# Altium PCB PCB1.PcbDoc (part 10 of 15) (continued)
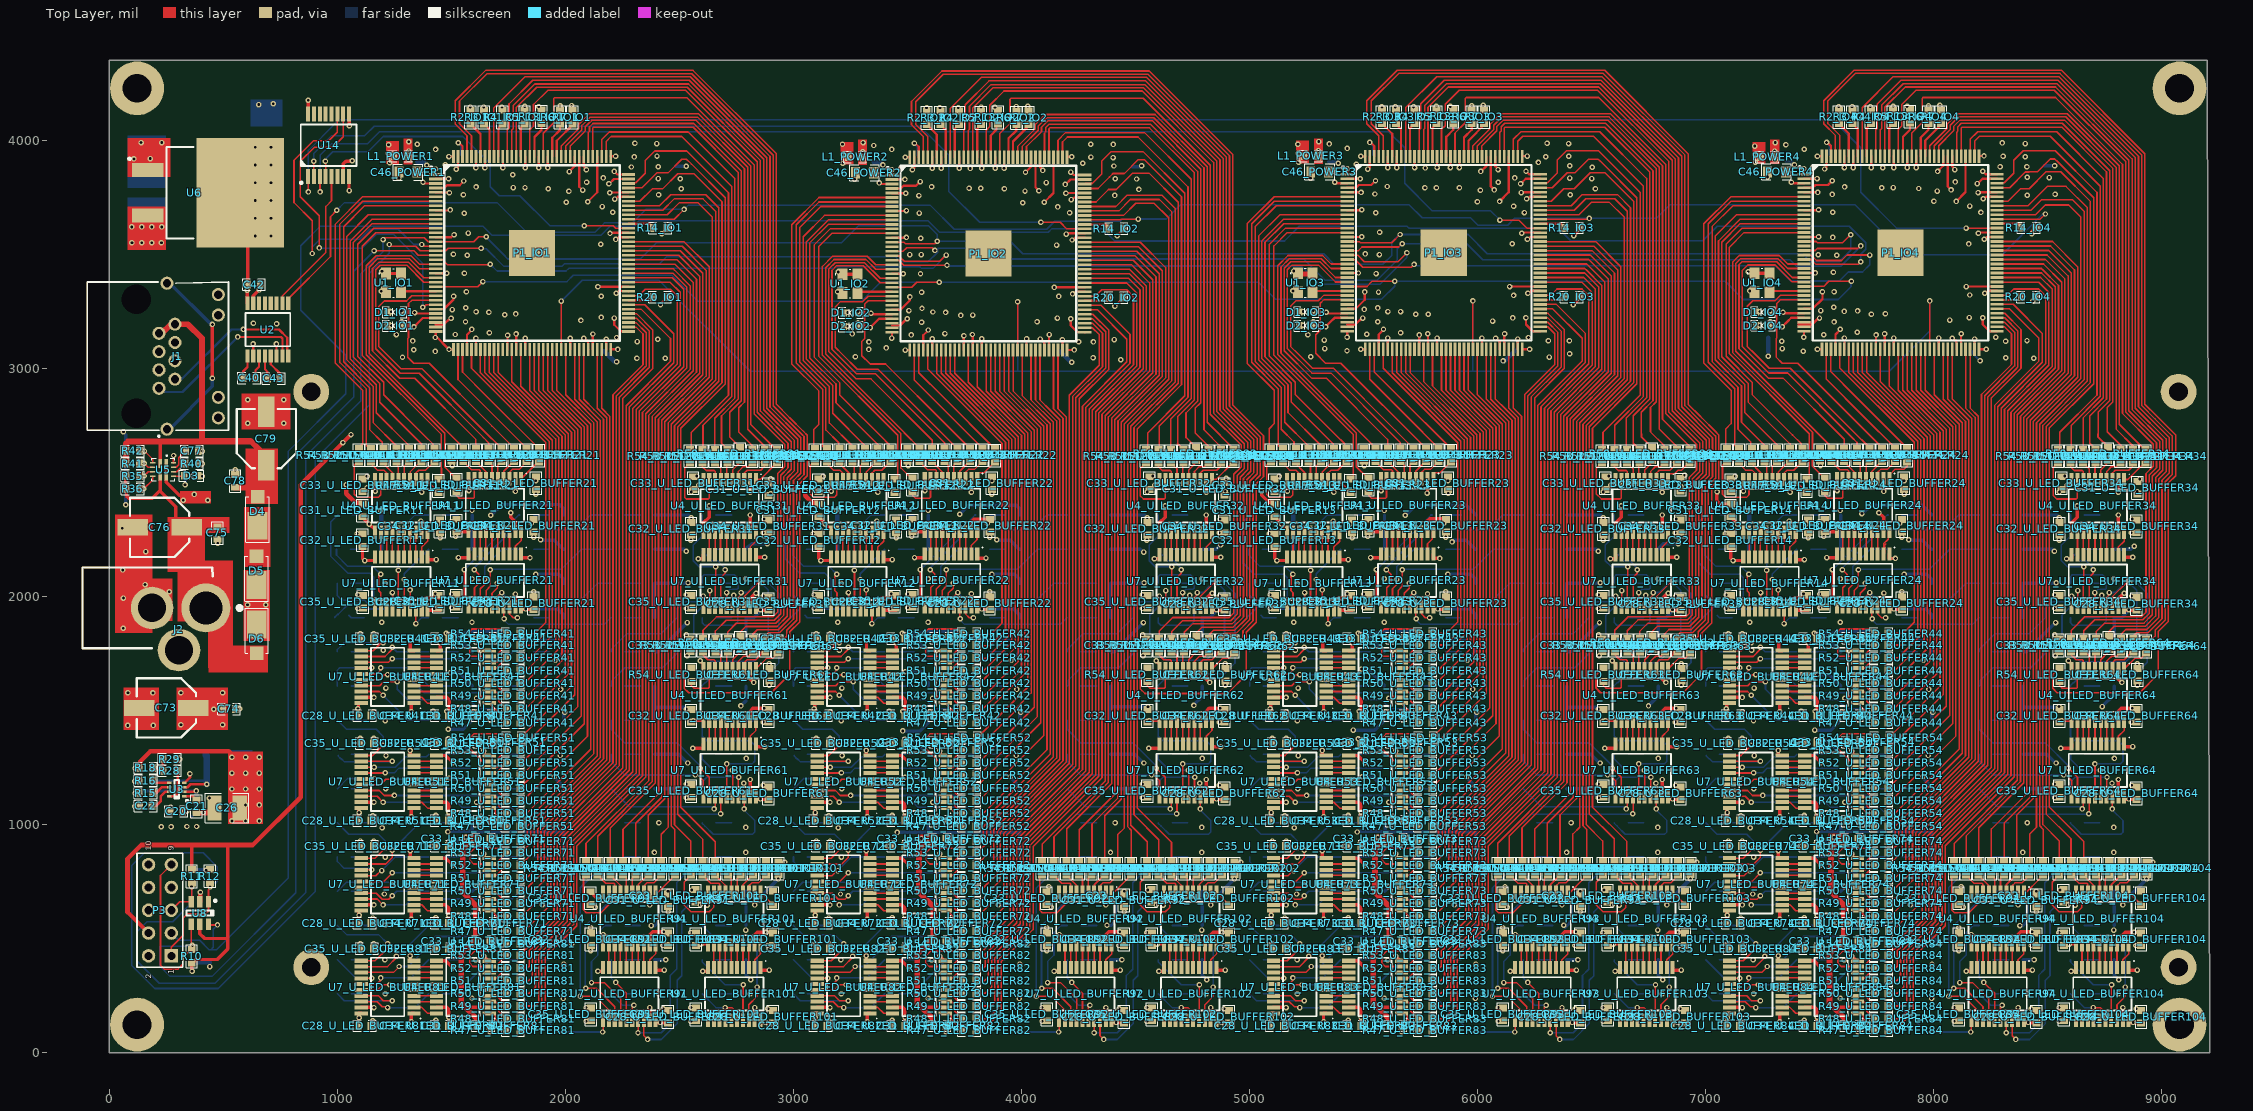
[diagram p0: Top Layer view]
## Nets (pads, with @x,y where several pads share a name; then routed paths per layer and width w, separated by ;. In a path a pad name is that pad's centre, name@x,y a point inside that pad or via, vN(x,y) a via of type N, cw(c..) or ccw(c..) an arc to the next point about the centre after c; other vN are vias at no path point) (continued)
  Top Layer w7: U4_U_LED_BUFFER21.4@1729.61,2516.17 1729.61,2548.89 1771.23,2590.5 R49_U_LED_BUFFER21.1@1774.56,2590.5
NetR49_U_LED_BUFFER22_1: R49_U_LED_BUFFER22.1 U4_U_LED_BUFFER22.4 | length 94.9
  Top Layer w7: U4_U_LED_BUFFER22.4@3729.61,2516.17 3729.61,2548.89 3771.23,2590.5 R49_U_LED_BUFFER22.1@3774.56,2590.5
NetR49_U_LED_BUFFER23_1: R49_U_LED_BUFFER23.1 U4_U_LED_BUFFER23.4 | length 94.9
  Top Layer w7: U4_U_LED_BUFFER23.4@5729.61,2516.17 5729.61,2548.89 5771.23,2590.5 R49_U_LED_BUFFER23.1@5774.56,2590.5
NetR49_U_LED_BUFFER24_1: R49_U_LED_BUFFER24.1 U4_U_LED_BUFFER24.4 | length 94.9
  Top Layer w7: U4_U_LED_BUFFER24.4@7729.61,2516.17 7729.61,2548.89 7771.23,2590.5 R49_U_LED_BUFFER24.1@7774.56,2590.5
NetR49_U_LED_BUFFER31_1: R49_U_LED_BUFFER31.1 U4_U_LED_BUFFER31.4 | length 111.8
  Top Layer w7: U4_U_LED_BUFFER31.4@2759.02,2512.83 2759.02,2548.37 2779.09,2568.45 2802.43,2568.45 R49_U_LED_BUFFER31.1@2819.77,2585.79
NetR49_U_LED_BUFFER32_1: R49_U_LED_BUFFER32.1 U4_U_LED_BUFFER32.4 | length 111.8
  Top Layer w7: U4_U_LED_BUFFER32.4@4759.02,2512.83 4759.02,2548.37 4779.09,2568.45 4802.43,2568.45 R49_U_LED_BUFFER32.1@4819.77,2585.79
NetR49_U_LED_BUFFER33_1: R49_U_LED_BUFFER33.1 U4_U_LED_BUFFER33.4 | length 111.8
  Top Layer w7: U4_U_LED_BUFFER33.4@6759.02,2512.83 6759.02,2548.37 6779.09,2568.45 6802.43,2568.45 R49_U_LED_BUFFER33.1@6819.77,2585.79
NetR49_U_LED_BUFFER34_1: R49_U_LED_BUFFER34.1 U4_U_LED_BUFFER34.4 | length 111.8
  Top Layer w7: U4_U_LED_BUFFER34.4@8759.02,2512.83 8759.02,2548.37 8779.09,2568.45 8802.43,2568.45 R49_U_LED_BUFFER34.1@8819.77,2585.79
NetR49_U_LED_BUFFER41_1: R49_U_LED_BUFFER41.1 U4_U_LED_BUFFER41.4 | length 94.9
  Top Layer w7: U4_U_LED_BUFFER41.4@1666.3,1608.78 1699.02,1608.78 1740.63,1567.16 R49_U_LED_BUFFER41.1@1740.63,1563.83
NetR49_U_LED_BUFFER42_1: R49_U_LED_BUFFER42.1 U4_U_LED_BUFFER42.4 | length 94.9
  Top Layer w7: U4_U_LED_BUFFER42.4@3666.3,1608.78 3699.02,1608.78 3740.63,1567.16 R49_U_LED_BUFFER42.1@3740.63,1563.83
NetR49_U_LED_BUFFER43_1: R49_U_LED_BUFFER43.1 U4_U_LED_BUFFER43.4 | length 94.9
  Top Layer w7: U4_U_LED_BUFFER43.4@5666.3,1608.78 5699.02,1608.78 5740.63,1567.16 R49_U_LED_BUFFER43.1@5740.63,1563.83
NetR49_U_LED_BUFFER44_1: R49_U_LED_BUFFER44.1 U4_U_LED_BUFFER44.4 | length 94.9
  Top Layer w7: U4_U_LED_BUFFER44.4@7666.3,1608.78 7699.02,1608.78 7740.63,1567.16 R49_U_LED_BUFFER44.1@7740.63,1563.83
NetR49_U_LED_BUFFER51_1: R49_U_LED_BUFFER51.1 U4_U_LED_BUFFER51.4 | length 94.9
  Top Layer w7: U4_U_LED_BUFFER51.4@1666.3,1148.78 1699.02,1148.78 1740.63,1107.16 R49_U_LED_BUFFER51.1@1740.63,1103.83
NetR49_U_LED_BUFFER52_1: R49_U_LED_BUFFER52.1 U4_U_LED_BUFFER52.4 | length 94.9
  Top Layer w7: U4_U_LED_BUFFER52.4@3666.3,1148.78 3699.02,1148.78 3740.63,1107.16 R49_U_LED_BUFFER52.1@3740.63,1103.83
NetR49_U_LED_BUFFER53_1: R49_U_LED_BUFFER53.1 U4_U_LED_BUFFER53.4 | length 94.9
  Top Layer w7: U4_U_LED_BUFFER53.4@5666.3,1148.78 5699.02,1148.78 5740.63,1107.16 R49_U_LED_BUFFER53.1@5740.63,1103.83
NetR49_U_LED_BUFFER54_1: R49_U_LED_BUFFER54.1 U4_U_LED_BUFFER54.4 | length 94.9
  Top Layer w7: U4_U_LED_BUFFER54.4@7666.3,1148.78 7699.02,1148.78 7740.63,1107.16 R49_U_LED_BUFFER54.1@7740.63,1103.83
NetR49_U_LED_BUFFER61_1: R49_U_LED_BUFFER61.1 U4_U_LED_BUFFER61.4 | length 112.5
  Top Layer w7: U4_U_LED_BUFFER61.4@2759.02,1682.83 2759.02,1715.55 2766.63,1723.16 2781.27,1737.81 2803.8,1737.81 R49_U_LED_BUFFER61.1@2822.05,1756.05
NetR49_U_LED_BUFFER62_1: R49_U_LED_BUFFER62.1 U4_U_LED_BUFFER62.4 | length 112.5
  Top Layer w7: U4_U_LED_BUFFER62.4@4759.02,1682.83 4759.02,1715.55 4766.63,1723.16 4781.27,1737.81 4803.8,1737.81 R49_U_LED_BUFFER62.1@4822.05,1756.05
NetR49_U_LED_BUFFER63_1: R49_U_LED_BUFFER63.1 U4_U_LED_BUFFER63.4 | length 112.5
  Top Layer w7: U4_U_LED_BUFFER63.4@6759.02,1682.83 6759.02,1715.55 6766.63,1723.16 6781.27,1737.81 6803.8,1737.81 R49_U_LED_BUFFER63.1@6822.05,1756.05
NetR49_U_LED_BUFFER64_1: R49_U_LED_BUFFER64.1 U4_U_LED_BUFFER64.4 | length 112.5
  Top Layer w7: U4_U_LED_BUFFER64.4@8759.02,1682.83 8759.02,1715.55 8766.63,1723.16 8781.27,1737.81 8803.8,1737.81 R49_U_LED_BUFFER64.1@8822.05,1756.05
NetR49_U_LED_BUFFER71_1: R49_U_LED_BUFFER71.1 U4_U_LED_BUFFER71.4 | length 94.9
  Top Layer w7: U4_U_LED_BUFFER71.4@1666.3,698.78 1699.02,698.78 1740.63,657.16 R49_U_LED_BUFFER71.1@1740.63,653.83
NetR49_U_LED_BUFFER72_1: R49_U_LED_BUFFER72.1 U4_U_LED_BUFFER72.4 | length 94.9
  Top Layer w7: U4_U_LED_BUFFER72.4@3666.3,698.78 3699.02,698.78 3740.63,657.16 R49_U_LED_BUFFER72.1@3740.63,653.83
NetR49_U_LED_BUFFER73_1: R49_U_LED_BUFFER73.1 U4_U_LED_BUFFER73.4 | length 94.9
  Top Layer w7: U4_U_LED_BUFFER73.4@5666.3,698.78 5699.02,698.78 5740.63,657.16 R49_U_LED_BUFFER73.1@5740.63,653.83
NetR49_U_LED_BUFFER74_1: R49_U_LED_BUFFER74.1 U4_U_LED_BUFFER74.4 | length 94.9
  Top Layer w7: U4_U_LED_BUFFER74.4@7666.3,698.78 7699.02,698.78 7740.63,657.16 R49_U_LED_BUFFER74.1@7740.63,653.83
NetR49_U_LED_BUFFER81_1: R49_U_LED_BUFFER81.1 U4_U_LED_BUFFER81.4 | length 94.9
  Top Layer w7: U4_U_LED_BUFFER81.4@1666.3,248.78 1699.02,248.78 1740.63,207.16 R49_U_LED_BUFFER81.1@1740.63,203.83
NetR49_U_LED_BUFFER82_1: R49_U_LED_BUFFER82.1 U4_U_LED_BUFFER82.4 | length 94.9
  Top Layer w7: U4_U_LED_BUFFER82.4@3666.3,248.78 3699.02,248.78 3740.63,207.16 R49_U_LED_BUFFER82.1@3740.63,203.83
NetR49_U_LED_BUFFER83_1: R49_U_LED_BUFFER83.1 U4_U_LED_BUFFER83.4 | length 94.9
  Top Layer w7: U4_U_LED_BUFFER83.4@5666.3,248.78 5699.02,248.78 5740.63,207.16 R49_U_LED_BUFFER83.1@5740.63,203.83
NetR49_U_LED_BUFFER84_1: R49_U_LED_BUFFER84.1 U4_U_LED_BUFFER84.4 | length 94.9
  Top Layer w7: U4_U_LED_BUFFER84.4@7666.3,248.78 7699.02,248.78 7740.63,207.16 R49_U_LED_BUFFER84.1@7740.63,203.83
NetR49_U_LED_BUFFER91_1: R49_U_LED_BUFFER91.1 U4_U_LED_BUFFER91.4 | length 94.9
  Top Layer w7: U4_U_LED_BUFFER91.4@2319.02,702.83 2319.02,735.55 2360.63,777.16 R49_U_LED_BUFFER91.1@2363.96,777.16
NetR49_U_LED_BUFFER92_1: R49_U_LED_BUFFER92.1 U4_U_LED_BUFFER92.4 | length 94.9
  Top Layer w7: U4_U_LED_BUFFER92.4@4319.02,702.83 4319.02,735.55 4360.63,777.16 R49_U_LED_BUFFER92.1@4363.96,777.16
NetR49_U_LED_BUFFER93_1: R49_U_LED_BUFFER93.1 U4_U_LED_BUFFER93.4 | length 94.9
  Top Layer w7: U4_U_LED_BUFFER93.4@6319.02,702.83 6319.02,735.55 6360.63,777.16 R49_U_LED_BUFFER93.1@6363.96,777.16
NetR49_U_LED_BUFFER94_1: R49_U_LED_BUFFER94.1 U4_U_LED_BUFFER94.4 | length 94.9
  Top Layer w7: U4_U_LED_BUFFER94.4@8319.02,702.83 8319.02,735.55 8360.63,777.16 R49_U_LED_BUFFER94.1@8363.96,777.16
NetR49_U_LED_BUFFER101_1: R49_U_LED_BUFFER101.1 U4_U_LED_BUFFER101.4 | length 94.9
  Top Layer w7: U4_U_LED_BUFFER101.4@2779.02,702.83 2779.02,735.55 2820.63,777.16 R49_U_LED_BUFFER101.1@2823.96,777.16
NetR49_U_LED_BUFFER102_1: R49_U_LED_BUFFER102.1 U4_U_LED_BUFFER102.4 | length 94.9
  Top Layer w7: U4_U_LED_BUFFER102.4@4779.02,702.83 4779.02,735.55 4820.63,777.16 R49_U_LED_BUFFER102.1@4823.96,777.16
NetR49_U_LED_BUFFER103_1: R49_U_LED_BUFFER103.1 U4_U_LED_BUFFER103.4 | length 94.9
  Top Layer w7: U4_U_LED_BUFFER103.4@6779.02,702.83 6779.02,735.55 6820.63,777.16 R49_U_LED_BUFFER103.1@6823.96,777.16
NetR49_U_LED_BUFFER104_1: R49_U_LED_BUFFER104.1 U4_U_LED_BUFFER104.4 | length 94.9
  Top Layer w7: U4_U_LED_BUFFER104.4@8779.02,702.83 8779.02,735.55 8820.63,777.16 R49_U_LED_BUFFER104.1@8823.96,777.16
NetR50_U_LED_BUFFER11_1: R50_U_LED_BUFFER11.1 U4_U_LED_BUFFER11.5 | length 80.5
  Top Layer w7: U4_U_LED_BUFFER11.5@1293.43,2512.83 1293.43,2572.18 R50_U_LED_BUFFER11.1@1308.41,2587.16
NetR50_U_LED_BUFFER12_1: R50_U_LED_BUFFER12.1 U4_U_LED_BUFFER12.5 | length 80.5
  Top Layer w7: U4_U_LED_BUFFER12.5@3293.43,2512.83 3293.43,2572.18 R50_U_LED_BUFFER12.1@3308.41,2587.16
NetR50_U_LED_BUFFER13_1: R50_U_LED_BUFFER13.1 U4_U_LED_BUFFER13.5 | length 80.5
  Top Layer w7: U4_U_LED_BUFFER13.5@5293.43,2512.83 5293.43,2572.18 R50_U_LED_BUFFER13.1@5308.41,2587.16
NetR50_U_LED_BUFFER14_1: R50_U_LED_BUFFER14.1 U4_U_LED_BUFFER14.5 | length 80.5
  Top Layer w7: U4_U_LED_BUFFER14.5@7293.43,2512.83 7293.43,2572.18 R50_U_LED_BUFFER14.1@7308.41,2587.16
NetR50_U_LED_BUFFER21_1: R50_U_LED_BUFFER21.1 U4_U_LED_BUFFER21.5 | length 80.5
  Top Layer w7: U4_U_LED_BUFFER21.5@1704.02,2516.17 1704.02,2575.52 R50_U_LED_BUFFER21.1@1719.01,2590.5
NetR50_U_LED_BUFFER22_1: R50_U_LED_BUFFER22.1 U4_U_LED_BUFFER22.5 | length 80.5
  Top Layer w7: U4_U_LED_BUFFER22.5@3704.02,2516.17 3704.02,2575.52 R50_U_LED_BUFFER22.1@3719,2590.5
NetR50_U_LED_BUFFER23_1: R50_U_LED_BUFFER23.1 U4_U_LED_BUFFER23.5 | length 80.5
  Top Layer w7: U4_U_LED_BUFFER23.5@5704.02,2516.17 5704.02,2575.52 R50_U_LED_BUFFER23.1@5719,2590.5
NetR50_U_LED_BUFFER24_1: R50_U_LED_BUFFER24.1 U4_U_LED_BUFFER24.5 | length 80.5
  Top Layer w7: U4_U_LED_BUFFER24.5@7704.02,2516.17 7704.02,2575.52 R50_U_LED_BUFFER24.1@7719,2590.5
NetR50_U_LED_BUFFER31_1: R50_U_LED_BUFFER31.1 U4_U_LED_BUFFER31.5 | length 86.1
  Top Layer w7: U4_U_LED_BUFFER31.5@2733.43,2512.83 2733.43,2554.16 R50_U_LED_BUFFER31.1@2765.06,2585.79
NetR50_U_LED_BUFFER32_1: R50_U_LED_BUFFER32.1 U4_U_LED_BUFFER32.5 | length 86.1
  Top Layer w7: U4_U_LED_BUFFER32.5@4733.43,2512.83 4733.43,2554.16 R50_U_LED_BUFFER32.1@4765.06,2585.79
NetR50_U_LED_BUFFER33_1: R50_U_LED_BUFFER33.1 U4_U_LED_BUFFER33.5 | length 86.1
  Top Layer w7: U4_U_LED_BUFFER33.5@6733.43,2512.83 6733.43,2554.16 R50_U_LED_BUFFER33.1@6765.06,2585.79
NetR50_U_LED_BUFFER34_1: R50_U_LED_BUFFER34.1 U4_U_LED_BUFFER34.5 | length 86.1
  Top Layer w7: U4_U_LED_BUFFER34.5@8733.43,2512.83 8733.43,2554.16 R50_U_LED_BUFFER34.1@8765.06,2585.79
NetR50_U_LED_BUFFER41_1: R50_U_LED_BUFFER41.1 U4_U_LED_BUFFER41.5 | length 80.5
  Top Layer w7: U4_U_LED_BUFFER41.5@1666.3,1634.37 1725.65,1634.37 R50_U_LED_BUFFER41.1@1740.63,1619.39
NetR50_U_LED_BUFFER42_1: R50_U_LED_BUFFER42.1 U4_U_LED_BUFFER42.5 | length 80.5
  Top Layer w7: U4_U_LED_BUFFER42.5@3666.3,1634.37 3725.65,1634.37 R50_U_LED_BUFFER42.1@3740.63,1619.39
NetR50_U_LED_BUFFER43_1: R50_U_LED_BUFFER43.1 U4_U_LED_BUFFER43.5 | length 80.5
  Top Layer w7: U4_U_LED_BUFFER43.5@5666.3,1634.37 5725.65,1634.37 R50_U_LED_BUFFER43.1@5740.63,1619.39
NetR50_U_LED_BUFFER44_1: R50_U_LED_BUFFER44.1 U4_U_LED_BUFFER44.5 | length 80.5
  Top Layer w7: U4_U_LED_BUFFER44.5@7666.3,1634.37 7725.65,1634.37 R50_U_LED_BUFFER44.1@7740.63,1619.39
NetR50_U_LED_BUFFER51_1: R50_U_LED_BUFFER51.1 U4_U_LED_BUFFER51.5 | length 80.5
  Top Layer w7: U4_U_LED_BUFFER51.5@1666.3,1174.37 1725.65,1174.37 R50_U_LED_BUFFER51.1@1740.63,1159.39
NetR50_U_LED_BUFFER52_1: R50_U_LED_BUFFER52.1 U4_U_LED_BUFFER52.5 | length 80.5
  Top Layer w7: U4_U_LED_BUFFER52.5@3666.3,1174.37 3725.65,1174.37 R50_U_LED_BUFFER52.1@3740.63,1159.39
NetR50_U_LED_BUFFER53_1: R50_U_LED_BUFFER53.1 U4_U_LED_BUFFER53.5 | length 80.5
  Top Layer w7: U4_U_LED_BUFFER53.5@5666.3,1174.37 5725.65,1174.37 R50_U_LED_BUFFER53.1@5740.63,1159.39
NetR50_U_LED_BUFFER54_1: R50_U_LED_BUFFER54.1 U4_U_LED_BUFFER54.5 | length 80.5
  Top Layer w7: U4_U_LED_BUFFER54.5@7666.3,1174.37 7725.65,1174.37 R50_U_LED_BUFFER54.1@7740.63,1159.39
NetR50_U_LED_BUFFER61_1: R50_U_LED_BUFFER61.1 U4_U_LED_BUFFER61.5 | length 87.3
  Top Layer w7: U4_U_LED_BUFFER61.5@2733.43,1682.83 2733.43,1722.03 R50_U_LED_BUFFER61.1@2767.45,1756.05
NetR50_U_LED_BUFFER62_1: R50_U_LED_BUFFER62.1 U4_U_LED_BUFFER62.5 | length 87.3
  Top Layer w7: U4_U_LED_BUFFER62.5@4733.43,1682.83 4733.43,1722.03 R50_U_LED_BUFFER62.1@4767.45,1756.05
NetR50_U_LED_BUFFER63_1: R50_U_LED_BUFFER63.1 U4_U_LED_BUFFER63.5 | length 87.3
  Top Layer w7: U4_U_LED_BUFFER63.5@6733.43,1682.83 6733.43,1722.03 R50_U_LED_BUFFER63.1@6767.45,1756.05
NetR50_U_LED_BUFFER64_1: R50_U_LED_BUFFER64.1 U4_U_LED_BUFFER64.5 | length 87.3
  Top Layer w7: U4_U_LED_BUFFER64.5@8733.43,1682.83 8733.43,1722.03 R50_U_LED_BUFFER64.1@8767.45,1756.05
NetR50_U_LED_BUFFER71_1: R50_U_LED_BUFFER71.1 U4_U_LED_BUFFER71.5 | length 80.5
  Top Layer w7: U4_U_LED_BUFFER71.5@1666.3,724.37 1725.65,724.37 R50_U_LED_BUFFER71.1@1740.63,709.39
NetR50_U_LED_BUFFER72_1: R50_U_LED_BUFFER72.1 U4_U_LED_BUFFER72.5 | length 80.5
  Top Layer w7: U4_U_LED_BUFFER72.5@3666.3,724.37 3725.65,724.37 R50_U_LED_BUFFER72.1@3740.63,709.39
NetR50_U_LED_BUFFER73_1: R50_U_LED_BUFFER73.1 U4_U_LED_BUFFER73.5 | length 80.5
  Top Layer w7: U4_U_LED_BUFFER73.5@5666.3,724.37 5725.65,724.37 R50_U_LED_BUFFER73.1@5740.63,709.39
NetR50_U_LED_BUFFER74_1: R50_U_LED_BUFFER74.1 U4_U_LED_BUFFER74.5 | length 80.5
  Top Layer w7: U4_U_LED_BUFFER74.5@7666.3,724.37 7725.65,724.37 R50_U_LED_BUFFER74.1@7740.63,709.39
NetR50_U_LED_BUFFER81_1: R50_U_LED_BUFFER81.1 U4_U_LED_BUFFER81.5 | length 80.5
  Top Layer w7: U4_U_LED_BUFFER81.5@1666.3,274.37 1725.65,274.37 R50_U_LED_BUFFER81.1@1740.63,259.39
NetR50_U_LED_BUFFER82_1: R50_U_LED_BUFFER82.1 U4_U_LED_BUFFER82.5 | length 80.5
  Top Layer w7: U4_U_LED_BUFFER82.5@3666.3,274.37 3725.65,274.37 R50_U_LED_BUFFER82.1@3740.63,259.39
NetR50_U_LED_BUFFER83_1: R50_U_LED_BUFFER83.1 U4_U_LED_BUFFER83.5 | length 80.5
  Top Layer w7: U4_U_LED_BUFFER83.5@5666.3,274.37 5725.65,274.37 R50_U_LED_BUFFER83.1@5740.63,259.39
NetR50_U_LED_BUFFER84_1: R50_U_LED_BUFFER84.1 U4_U_LED_BUFFER84.5 | length 80.5
  Top Layer w7: U4_U_LED_BUFFER84.5@7666.3,274.37 7725.65,274.37 R50_U_LED_BUFFER84.1@7740.63,259.39
NetR50_U_LED_BUFFER91_1: R50_U_LED_BUFFER91.1 U4_U_LED_BUFFER91.5 | length 80.5
  Top Layer w7: U4_U_LED_BUFFER91.5@2293.43,702.83 2293.43,762.18 R50_U_LED_BUFFER91.1@2308.41,777.16
NetR50_U_LED_BUFFER92_1: R50_U_LED_BUFFER92.1 U4_U_LED_BUFFER92.5 | length 80.5
  Top Layer w7: U4_U_LED_BUFFER92.5@4293.43,702.83 4293.43,762.18 R50_U_LED_BUFFER92.1@4308.41,777.16
NetR50_U_LED_BUFFER93_1: R50_U_LED_BUFFER93.1 U4_U_LED_BUFFER93.5 | length 80.5
  Top Layer w7: U4_U_LED_BUFFER93.5@6293.43,702.83 6293.43,762.18 R50_U_LED_BUFFER93.1@6308.41,777.16
NetR50_U_LED_BUFFER94_1: R50_U_LED_BUFFER94.1 U4_U_LED_BUFFER94.5 | length 80.5
  Top Layer w7: U4_U_LED_BUFFER94.5@8293.43,702.83 8293.43,762.18 R50_U_LED_BUFFER94.1@8308.41,777.16
NetR50_U_LED_BUFFER101_1: R50_U_LED_BUFFER101.1 U4_U_LED_BUFFER101.5 | length 80.5
  Top Layer w7: U4_U_LED_BUFFER101.5@2753.43,702.83 2753.43,762.18 R50_U_LED_BUFFER101.1@2768.41,777.16
NetR50_U_LED_BUFFER102_1: R50_U_LED_BUFFER102.1 U4_U_LED_BUFFER102.5 | length 80.5
  Top Layer w7: U4_U_LED_BUFFER102.5@4753.43,702.83 4753.43,762.18 R50_U_LED_BUFFER102.1@4768.41,777.16
NetR50_U_LED_BUFFER103_1: R50_U_LED_BUFFER103.1 U4_U_LED_BUFFER103.5 | length 80.5
  Top Layer w7: U4_U_LED_BUFFER103.5@6753.43,702.83 6753.43,762.18 R50_U_LED_BUFFER103.1@6768.41,777.16
NetR50_U_LED_BUFFER104_1: R50_U_LED_BUFFER104.1 U4_U_LED_BUFFER104.5 | length 80.5
  Top Layer w7: U4_U_LED_BUFFER104.5@8753.43,702.83 8753.43,762.18 R50_U_LED_BUFFER104.1@8768.41,777.16
NetR51_U_LED_BUFFER11_1: R51_U_LED_BUFFER11.1 U4_U_LED_BUFFER11.6 | length 80.5
  Top Layer w7: R51_U_LED_BUFFER11.1@1252.85,2587.16 1267.84,2572.18 U4_U_LED_BUFFER11.6@1267.84,2512.83
NetR51_U_LED_BUFFER12_1: R51_U_LED_BUFFER12.1 U4_U_LED_BUFFER12.6 | length 80.5
  Top Layer w7: R51_U_LED_BUFFER12.1@3252.85,2587.16 3267.84,2572.18 U4_U_LED_BUFFER12.6@3267.84,2512.83
NetR51_U_LED_BUFFER13_1: R51_U_LED_BUFFER13.1 U4_U_LED_BUFFER13.6 | length 80.5
  Top Layer w7: R51_U_LED_BUFFER13.1@5252.85,2587.16 5267.84,2572.18 U4_U_LED_BUFFER13.6@5267.84,2512.83
NetR51_U_LED_BUFFER14_1: R51_U_LED_BUFFER14.1 U4_U_LED_BUFFER14.6 | length 80.5
  Top Layer w7: R51_U_LED_BUFFER14.1@7252.85,2587.16 7267.84,2572.18 U4_U_LED_BUFFER14.6@7267.84,2512.83
NetR51_U_LED_BUFFER21_1: R51_U_LED_BUFFER21.1 U4_U_LED_BUFFER21.6 | length 80.5
  Top Layer w7: R51_U_LED_BUFFER21.1@1663.45,2590.5 1678.43,2575.52 U4_U_LED_BUFFER21.6@1678.43,2516.17
NetR51_U_LED_BUFFER22_1: R51_U_LED_BUFFER22.1 U4_U_LED_BUFFER22.6 | length 80.5
  Top Layer w7: R51_U_LED_BUFFER22.1@3663.45,2590.5 3678.43,2575.52 U4_U_LED_BUFFER22.6@3678.43,2516.17
NetR51_U_LED_BUFFER23_1: R51_U_LED_BUFFER23.1 U4_U_LED_BUFFER23.6 | length 80.5
  Top Layer w7: R51_U_LED_BUFFER23.1@5663.45,2590.5 5678.43,2575.52 U4_U_LED_BUFFER23.6@5678.43,2516.17
NetR51_U_LED_BUFFER24_1: R51_U_LED_BUFFER24.1 U4_U_LED_BUFFER24.6 | length 80.5
  Top Layer w7: R51_U_LED_BUFFER24.1@7663.45,2590.5 7678.43,2575.52 U4_U_LED_BUFFER24.6@7678.43,2516.17
NetR51_U_LED_BUFFER31_1: R51_U_LED_BUFFER31.1 U4_U_LED_BUFFER31.6 | length 74
  Top Layer w7: U4_U_LED_BUFFER31.6@2707.84,2512.83 2707.84,2583.28 R51_U_LED_BUFFER31.1@2710.35,2585.79
NetR51_U_LED_BUFFER32_1: R51_U_LED_BUFFER32.1 U4_U_LED_BUFFER32.6 | length 74
  Top Layer w7: U4_U_LED_BUFFER32.6@4707.84,2512.83 4707.84,2583.28 R51_U_LED_BUFFER32.1@4710.35,2585.79
NetR51_U_LED_BUFFER33_1: R51_U_LED_BUFFER33.1 U4_U_LED_BUFFER33.6 | length 74
  Top Layer w7: U4_U_LED_BUFFER33.6@6707.84,2512.83 6707.84,2583.28 R51_U_LED_BUFFER33.1@6710.35,2585.79
NetR51_U_LED_BUFFER34_1: R51_U_LED_BUFFER34.1 U4_U_LED_BUFFER34.6 | length 74
  Top Layer w7: U4_U_LED_BUFFER34.6@8707.84,2512.83 8707.84,2583.28 R51_U_LED_BUFFER34.1@8710.35,2585.79
NetR51_U_LED_BUFFER41_1: R51_U_LED_BUFFER41.1 U4_U_LED_BUFFER41.6 | length 80.5
  Top Layer w7: U4_U_LED_BUFFER41.6@1666.3,1659.96 1725.65,1659.96 R51_U_LED_BUFFER41.1@1740.63,1674.94
NetR51_U_LED_BUFFER42_1: R51_U_LED_BUFFER42.1 U4_U_LED_BUFFER42.6 | length 80.5
  Top Layer w7: U4_U_LED_BUFFER42.6@3666.3,1659.96 3725.65,1659.96 R51_U_LED_BUFFER42.1@3740.63,1674.94
NetR51_U_LED_BUFFER43_1: R51_U_LED_BUFFER43.1 U4_U_LED_BUFFER43.6 | length 80.5
  Top Layer w7: U4_U_LED_BUFFER43.6@5666.3,1659.96 5725.65,1659.96 R51_U_LED_BUFFER43.1@5740.63,1674.94
NetR51_U_LED_BUFFER44_1: R51_U_LED_BUFFER44.1 U4_U_LED_BUFFER44.6 | length 80.5
  Top Layer w7: U4_U_LED_BUFFER44.6@7666.3,1659.96 7725.65,1659.96 R51_U_LED_BUFFER44.1@7740.63,1674.94
NetR51_U_LED_BUFFER51_1: R51_U_LED_BUFFER51.1 U4_U_LED_BUFFER51.6 | length 80.5
  Top Layer w7: U4_U_LED_BUFFER51.6@1666.3,1199.96 1725.65,1199.96 R51_U_LED_BUFFER51.1@1740.63,1214.94
NetR51_U_LED_BUFFER52_1: R51_U_LED_BUFFER52.1 U4_U_LED_BUFFER52.6 | length 80.5
  Top Layer w7: U4_U_LED_BUFFER52.6@3666.3,1199.96 3725.65,1199.96 R51_U_LED_BUFFER52.1@3740.63,1214.94
NetR51_U_LED_BUFFER53_1: R51_U_LED_BUFFER53.1 U4_U_LED_BUFFER53.6 | length 80.5
  Top Layer w7: U4_U_LED_BUFFER53.6@5666.3,1199.96 5725.65,1199.96 R51_U_LED_BUFFER53.1@5740.63,1214.94
NetR51_U_LED_BUFFER54_1: R51_U_LED_BUFFER54.1 U4_U_LED_BUFFER54.6 | length 80.5
  Top Layer w7: U4_U_LED_BUFFER54.6@7666.3,1199.96 7725.65,1199.96 R51_U_LED_BUFFER54.1@7740.63,1214.94
NetR51_U_LED_BUFFER61_1: R51_U_LED_BUFFER61.1 U4_U_LED_BUFFER61.6 | length 75.3
  Top Layer w7: U4_U_LED_BUFFER61.6@2707.84,1682.83 2707.84,1751.04 R51_U_LED_BUFFER61.1@2712.85,1756.05
NetR51_U_LED_BUFFER62_1: R51_U_LED_BUFFER62.1 U4_U_LED_BUFFER62.6 | length 75.3
  Top Layer w7: U4_U_LED_BUFFER62.6@4707.84,1682.83 4707.84,1751.04 R51_U_LED_BUFFER62.1@4712.85,1756.05
NetR51_U_LED_BUFFER63_1: R51_U_LED_BUFFER63.1 U4_U_LED_BUFFER63.6 | length 75.3
  Top Layer w7: U4_U_LED_BUFFER63.6@6707.84,1682.83 6707.84,1751.04 R51_U_LED_BUFFER63.1@6712.85,1756.05
NetR51_U_LED_BUFFER64_1: R51_U_LED_BUFFER64.1 U4_U_LED_BUFFER64.6 | length 75.3
  Top Layer w7: U4_U_LED_BUFFER64.6@8707.84,1682.83 8707.84,1751.04 R51_U_LED_BUFFER64.1@8712.85,1756.05
NetR51_U_LED_BUFFER71_1: R51_U_LED_BUFFER71.1 U4_U_LED_BUFFER71.6 | length 80.5
  Top Layer w7: U4_U_LED_BUFFER71.6@1666.3,749.96 1725.65,749.96 R51_U_LED_BUFFER71.1@1740.63,764.94
NetR51_U_LED_BUFFER72_1: R51_U_LED_BUFFER72.1 U4_U_LED_BUFFER72.6 | length 80.5
  Top Layer w7: U4_U_LED_BUFFER72.6@3666.3,749.96 3725.65,749.96 R51_U_LED_BUFFER72.1@3740.63,764.94
NetR51_U_LED_BUFFER73_1: R51_U_LED_BUFFER73.1 U4_U_LED_BUFFER73.6 | length 80.5
  Top Layer w7: U4_U_LED_BUFFER73.6@5666.3,749.96 5725.65,749.96 R51_U_LED_BUFFER73.1@5740.63,764.94
NetR51_U_LED_BUFFER74_1: R51_U_LED_BUFFER74.1 U4_U_LED_BUFFER74.6 | length 80.5
  Top Layer w7: U4_U_LED_BUFFER74.6@7666.3,749.96 7725.65,749.96 R51_U_LED_BUFFER74.1@7740.63,764.94
NetR51_U_LED_BUFFER81_1: R51_U_LED_BUFFER81.1 U4_U_LED_BUFFER81.6 | length 80.5
  Top Layer w7: U4_U_LED_BUFFER81.6@1666.3,299.96 1725.65,299.96 R51_U_LED_BUFFER81.1@1740.63,314.94
NetR51_U_LED_BUFFER82_1: R51_U_LED_BUFFER82.1 U4_U_LED_BUFFER82.6 | length 80.5
  Top Layer w7: U4_U_LED_BUFFER82.6@3666.3,299.96 3725.65,299.96 R51_U_LED_BUFFER82.1@3740.63,314.94
NetR51_U_LED_BUFFER83_1: R51_U_LED_BUFFER83.1 U4_U_LED_BUFFER83.6 | length 80.5
  Top Layer w7: U4_U_LED_BUFFER83.6@5666.3,299.96 5725.65,299.96 R51_U_LED_BUFFER83.1@5740.63,314.94
NetR51_U_LED_BUFFER84_1: R51_U_LED_BUFFER84.1 U4_U_LED_BUFFER84.6 | length 80.5
  Top Layer w7: U4_U_LED_BUFFER84.6@7666.3,299.96 7725.65,299.96 R51_U_LED_BUFFER84.1@7740.63,314.94
NetR51_U_LED_BUFFER91_1: R51_U_LED_BUFFER91.1 U4_U_LED_BUFFER91.6 | length 80.5
  Top Layer w7: R51_U_LED_BUFFER91.1@2252.85,777.16 2267.84,762.18 U4_U_LED_BUFFER91.6@2267.84,702.83
NetR51_U_LED_BUFFER92_1: R51_U_LED_BUFFER92.1 U4_U_LED_BUFFER92.6 | length 80.5
  Top Layer w7: R51_U_LED_BUFFER92.1@4252.85,777.16 4267.84,762.18 U4_U_LED_BUFFER92.6@4267.84,702.83
NetR51_U_LED_BUFFER93_1: R51_U_LED_BUFFER93.1 U4_U_LED_BUFFER93.6 | length 80.5
  Top Layer w7: R51_U_LED_BUFFER93.1@6252.85,777.16 6267.84,762.18 U4_U_LED_BUFFER93.6@6267.84,702.83
NetR51_U_LED_BUFFER94_1: R51_U_LED_BUFFER94.1 U4_U_LED_BUFFER94.6 | length 80.5
  Top Layer w7: R51_U_LED_BUFFER94.1@8252.85,777.16 8267.84,762.18 U4_U_LED_BUFFER94.6@8267.84,702.83
NetR51_U_LED_BUFFER101_1: R51_U_LED_BUFFER101.1 U4_U_LED_BUFFER101.6 | length 80.5
  Top Layer w7: R51_U_LED_BUFFER101.1@2712.85,777.16 2727.84,762.18 U4_U_LED_BUFFER101.6@2727.84,702.83
NetR51_U_LED_BUFFER102_1: R51_U_LED_BUFFER102.1 U4_U_LED_BUFFER102.6 | length 80.5
  Top Layer w7: R51_U_LED_BUFFER102.1@4712.85,777.16 4727.84,762.18 U4_U_LED_BUFFER102.6@4727.84,702.83
NetR51_U_LED_BUFFER103_1: R51_U_LED_BUFFER103.1 U4_U_LED_BUFFER103.6 | length 80.5
  Top Layer w7: R51_U_LED_BUFFER103.1@6712.85,777.16 6727.84,762.18 U4_U_LED_BUFFER103.6@6727.84,702.83
NetR51_U_LED_BUFFER104_1: R51_U_LED_BUFFER104.1 U4_U_LED_BUFFER104.6 | length 80.5
  Top Layer w7: R51_U_LED_BUFFER104.1@8712.85,777.16 8727.84,762.18 U4_U_LED_BUFFER104.6@8727.84,702.83
NetR52_U_LED_BUFFER11_1: R52_U_LED_BUFFER11.1 U4_U_LED_BUFFER11.7 | length 92.9
  Top Layer w7: R52_U_LED_BUFFER11.1@1197.3,2587.16 1242.25,2542.22 U4_U_LED_BUFFER11.7@1242.25,2512.83
NetR52_U_LED_BUFFER12_1: R52_U_LED_BUFFER12.1 U4_U_LED_BUFFER12.7 | length 92.9
  Top Layer w7: R52_U_LED_BUFFER12.1@3197.3,2587.16 3242.25,2542.22 U4_U_LED_BUFFER12.7@3242.25,2512.83
NetR52_U_LED_BUFFER13_1: R52_U_LED_BUFFER13.1 U4_U_LED_BUFFER13.7 | length 92.9
  Top Layer w7: R52_U_LED_BUFFER13.1@5197.3,2587.16 5242.25,2542.22 U4_U_LED_BUFFER13.7@5242.25,2512.83
NetR52_U_LED_BUFFER14_1: R52_U_LED_BUFFER14.1 U4_U_LED_BUFFER14.7 | length 92.9
  Top Layer w7: R52_U_LED_BUFFER14.1@7197.3,2587.16 7242.25,2542.22 U4_U_LED_BUFFER14.7@7242.25,2512.83
NetR52_U_LED_BUFFER21_1: R52_U_LED_BUFFER21.1 U4_U_LED_BUFFER21.7 | length 92.9
  Top Layer w7: R52_U_LED_BUFFER21.1@1607.89,2590.5 1652.84,2545.56 U4_U_LED_BUFFER21.7@1652.84,2516.17
NetR52_U_LED_BUFFER22_1: R52_U_LED_BUFFER22.1 U4_U_LED_BUFFER22.7 | length 92.9
  Top Layer w7: R52_U_LED_BUFFER22.1@3607.89,2590.5 3652.84,2545.56 U4_U_LED_BUFFER22.7@3652.84,2516.17
NetR52_U_LED_BUFFER23_1: R52_U_LED_BUFFER23.1 U4_U_LED_BUFFER23.7 | length 92.9
  Top Layer w7: R52_U_LED_BUFFER23.1@5607.89,2590.5 5652.84,2545.56 U4_U_LED_BUFFER23.7@5652.84,2516.17
NetR52_U_LED_BUFFER24_1: R52_U_LED_BUFFER24.1 U4_U_LED_BUFFER24.7 | length 92.9
  Top Layer w7: R52_U_LED_BUFFER24.1@7607.89,2590.5 7652.84,2545.56 U4_U_LED_BUFFER24.7@7652.84,2516.17
NetR52_U_LED_BUFFER31_1: R52_U_LED_BUFFER31.1 U4_U_LED_BUFFER31.7 | length 84
  Top Layer w7: R52_U_LED_BUFFER31.1@2655.63,2585.79 2682.25,2559.18 U4_U_LED_BUFFER31.7@2682.25,2512.83
NetR52_U_LED_BUFFER32_1: R52_U_LED_BUFFER32.1 U4_U_LED_BUFFER32.7 | length 84
  Top Layer w7: R52_U_LED_BUFFER32.1@4655.63,2585.79 4682.25,2559.18 U4_U_LED_BUFFER32.7@4682.25,2512.83
NetR52_U_LED_BUFFER33_1: R52_U_LED_BUFFER33.1 U4_U_LED_BUFFER33.7 | length 84
  Top Layer w7: R52_U_LED_BUFFER33.1@6655.63,2585.79 6682.25,2559.18 U4_U_LED_BUFFER33.7@6682.25,2512.83
NetR52_U_LED_BUFFER34_1: R52_U_LED_BUFFER34.1 U4_U_LED_BUFFER34.7 | length 84
  Top Layer w7: R52_U_LED_BUFFER34.1@8655.63,2585.79 8682.25,2559.18 U4_U_LED_BUFFER34.7@8682.25,2512.83
NetR52_U_LED_BUFFER41_1: R52_U_LED_BUFFER41.1 U4_U_LED_BUFFER41.7 | length 92.9
  Top Layer w7: U4_U_LED_BUFFER41.7@1666.3,1685.55 1695.68,1685.55 R52_U_LED_BUFFER41.1@1740.63,1730.5
NetR52_U_LED_BUFFER42_1: R52_U_LED_BUFFER42.1 U4_U_LED_BUFFER42.7 | length 92.9
  Top Layer w7: U4_U_LED_BUFFER42.7@3666.3,1685.55 3695.68,1685.55 R52_U_LED_BUFFER42.1@3740.63,1730.5
NetR52_U_LED_BUFFER43_1: R52_U_LED_BUFFER43.1 U4_U_LED_BUFFER43.7 | length 92.9
  Top Layer w7: U4_U_LED_BUFFER43.7@5666.3,1685.55 5695.68,1685.55 R52_U_LED_BUFFER43.1@5740.63,1730.5
NetR52_U_LED_BUFFER44_1: R52_U_LED_BUFFER44.1 U4_U_LED_BUFFER44.7 | length 92.9
  Top Layer w7: U4_U_LED_BUFFER44.7@7666.3,1685.55 7695.68,1685.55 R52_U_LED_BUFFER44.1@7740.63,1730.5
NetR52_U_LED_BUFFER51_1: R52_U_LED_BUFFER51.1 U4_U_LED_BUFFER51.7 | length 92.9
  Top Layer w7: U4_U_LED_BUFFER51.7@1666.3,1225.55 1695.68,1225.55 R52_U_LED_BUFFER51.1@1740.63,1270.5
NetR52_U_LED_BUFFER52_1: R52_U_LED_BUFFER52.1 U4_U_LED_BUFFER52.7 | length 92.9
  Top Layer w7: U4_U_LED_BUFFER52.7@3666.3,1225.55 3695.68,1225.55 R52_U_LED_BUFFER52.1@3740.63,1270.5
NetR52_U_LED_BUFFER53_1: R52_U_LED_BUFFER53.1 U4_U_LED_BUFFER53.7 | length 92.9
  Top Layer w7: U4_U_LED_BUFFER53.7@5666.3,1225.55 5695.68,1225.55 R52_U_LED_BUFFER53.1@5740.63,1270.5
NetR52_U_LED_BUFFER54_1: R52_U_LED_BUFFER54.1 U4_U_LED_BUFFER54.7 | length 92.9
  Top Layer w7: U4_U_LED_BUFFER54.7@7666.3,1225.55 7695.68,1225.55 R52_U_LED_BUFFER54.1@7740.63,1270.5
NetR52_U_LED_BUFFER61_1: R52_U_LED_BUFFER61.1 U4_U_LED_BUFFER61.7 | length 82.3
  Top Layer w7: R52_U_LED_BUFFER61.1@2664.15,1757.6 2682.25,1739.5 U4_U_LED_BUFFER61.7@2682.25,1682.83
NetR52_U_LED_BUFFER62_1: R52_U_LED_BUFFER62.1 U4_U_LED_BUFFER62.7 | length 82.3
  Top Layer w7: R52_U_LED_BUFFER62.1@4664.15,1757.6 4682.25,1739.5 U4_U_LED_BUFFER62.7@4682.25,1682.83
NetR52_U_LED_BUFFER63_1: R52_U_LED_BUFFER63.1 U4_U_LED_BUFFER63.7 | length 82.3
  Top Layer w7: R52_U_LED_BUFFER63.1@6664.15,1757.6 6682.25,1739.5 U4_U_LED_BUFFER63.7@6682.25,1682.83
NetR52_U_LED_BUFFER64_1: R52_U_LED_BUFFER64.1 U4_U_LED_BUFFER64.7 | length 82.3
  Top Layer w7: R52_U_LED_BUFFER64.1@8664.15,1757.6 8682.25,1739.5 U4_U_LED_BUFFER64.7@8682.25,1682.83